# Altium PCB Receiver-board.PcbDoc
Units mm, origin at the board's own origin, x right, y up, seen from the top; angles counter-clockwise.
Board outline 52 x 66.01 mm, 4 copper layers (Top Layer, PWR, GND, Bottom Layer), stack 1.586 mm thick; 124 components, 79 nets, 334 pads, 137 vias.
Unrouted connection lines stored in the file: 85.
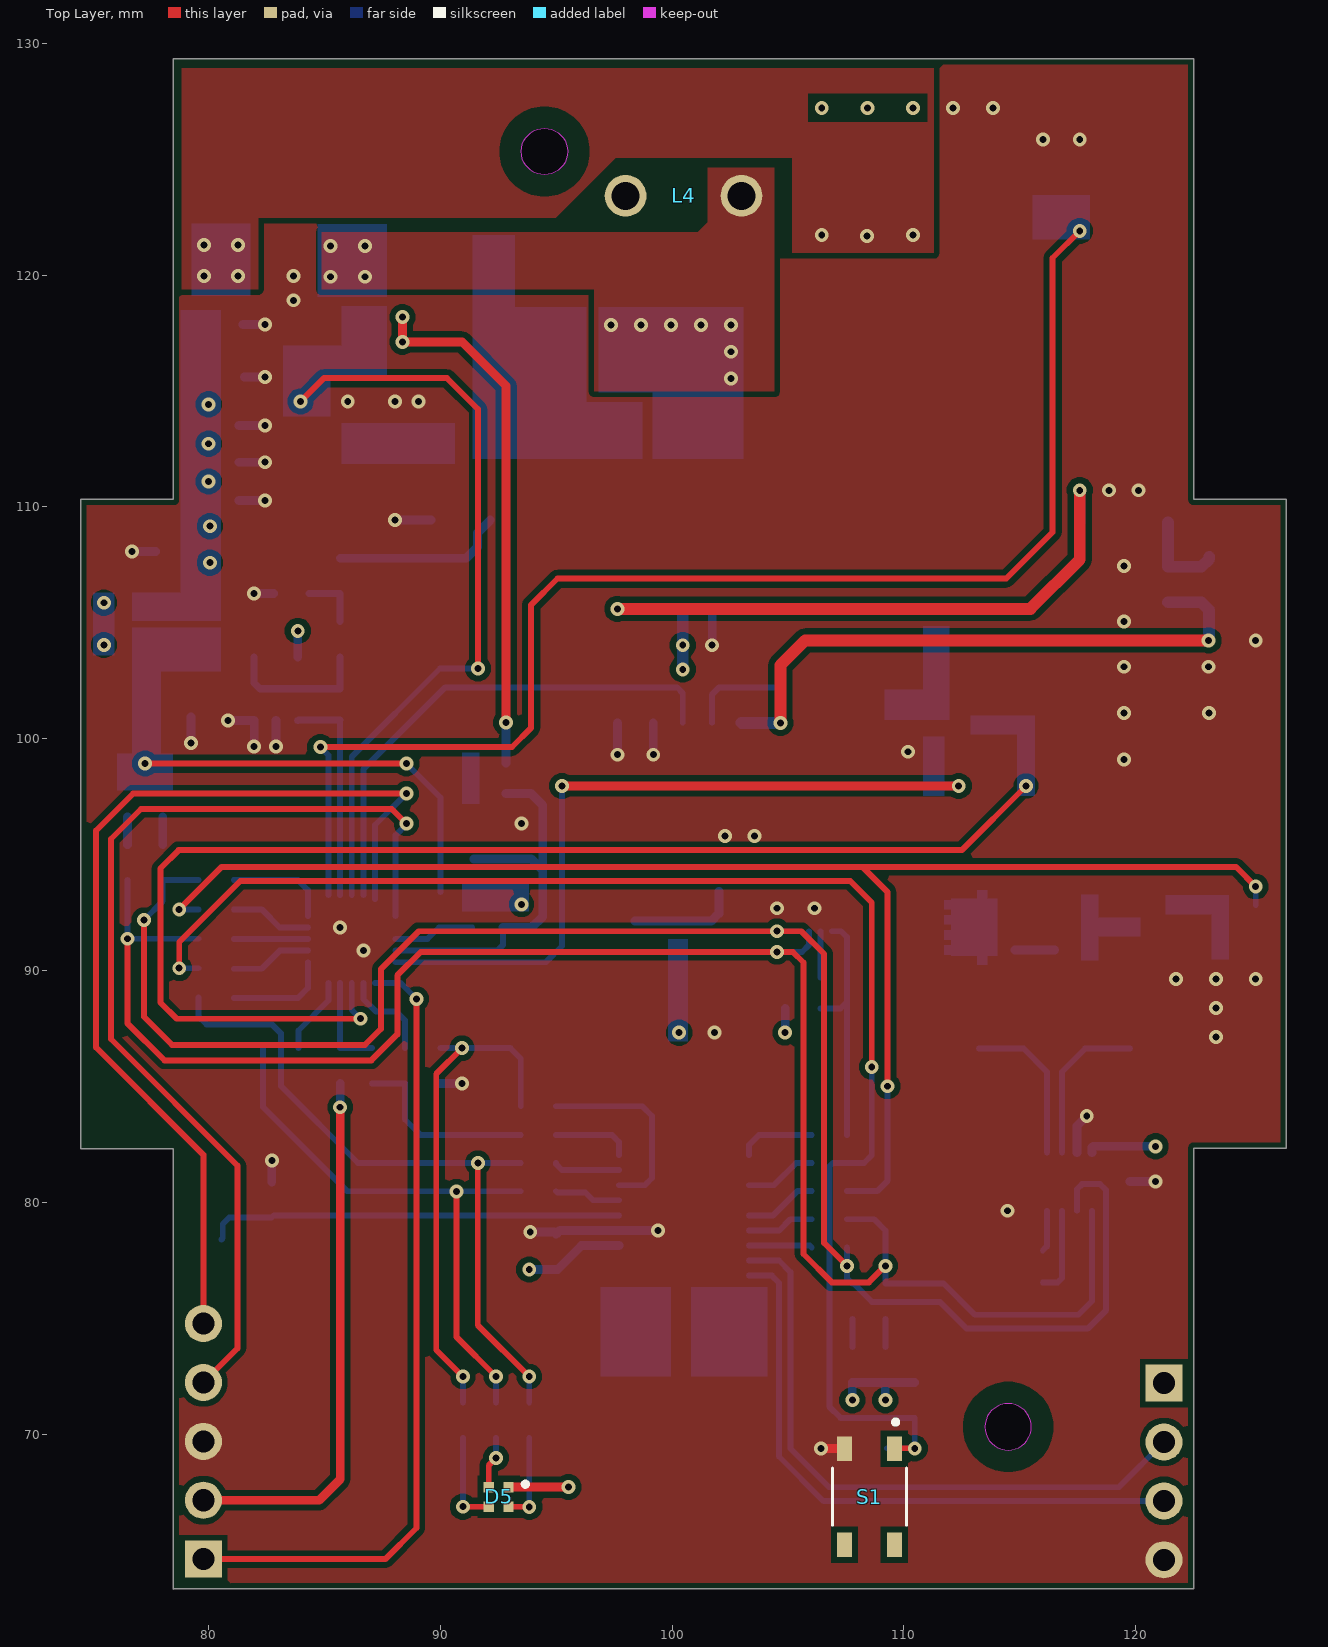
[diagram p0: Top Layer view]
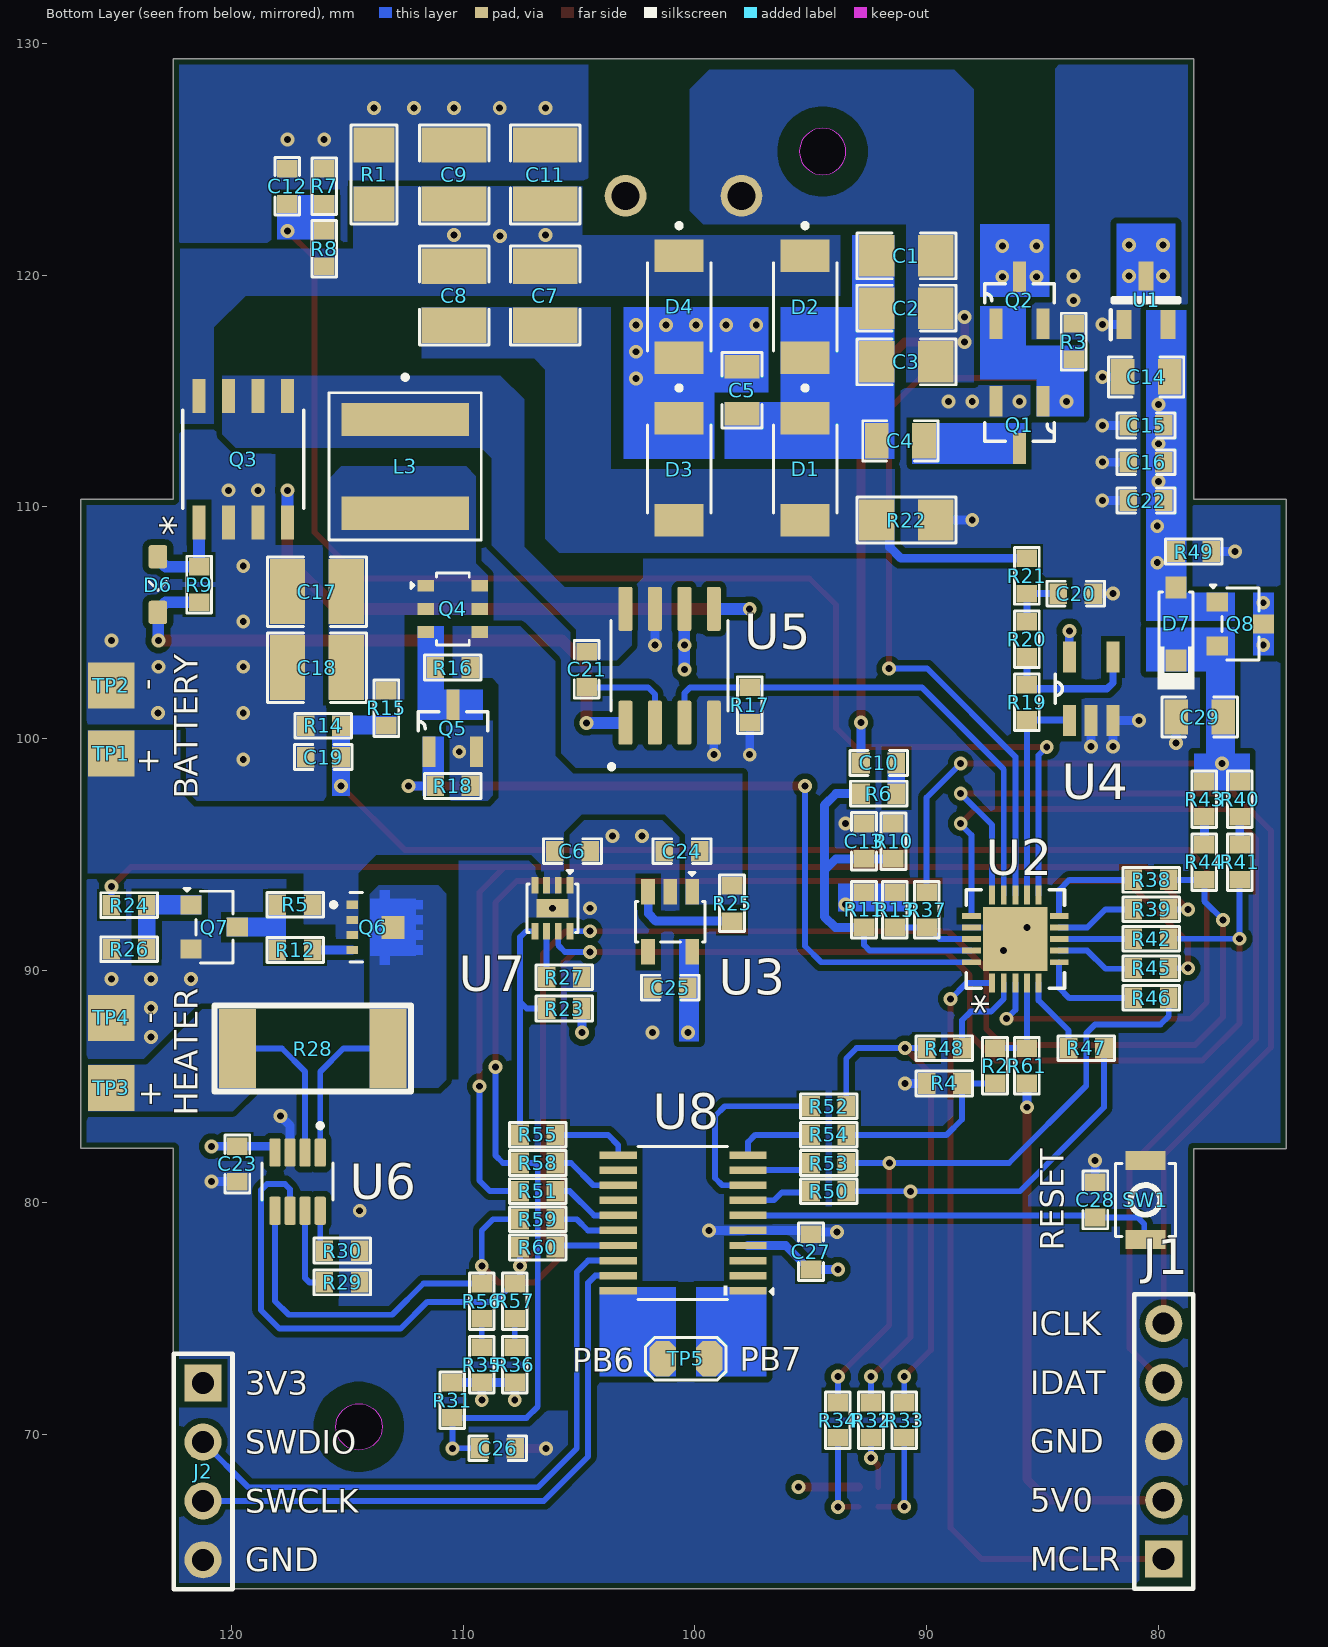
[diagram p1: Bottom Layer view, seen from below]
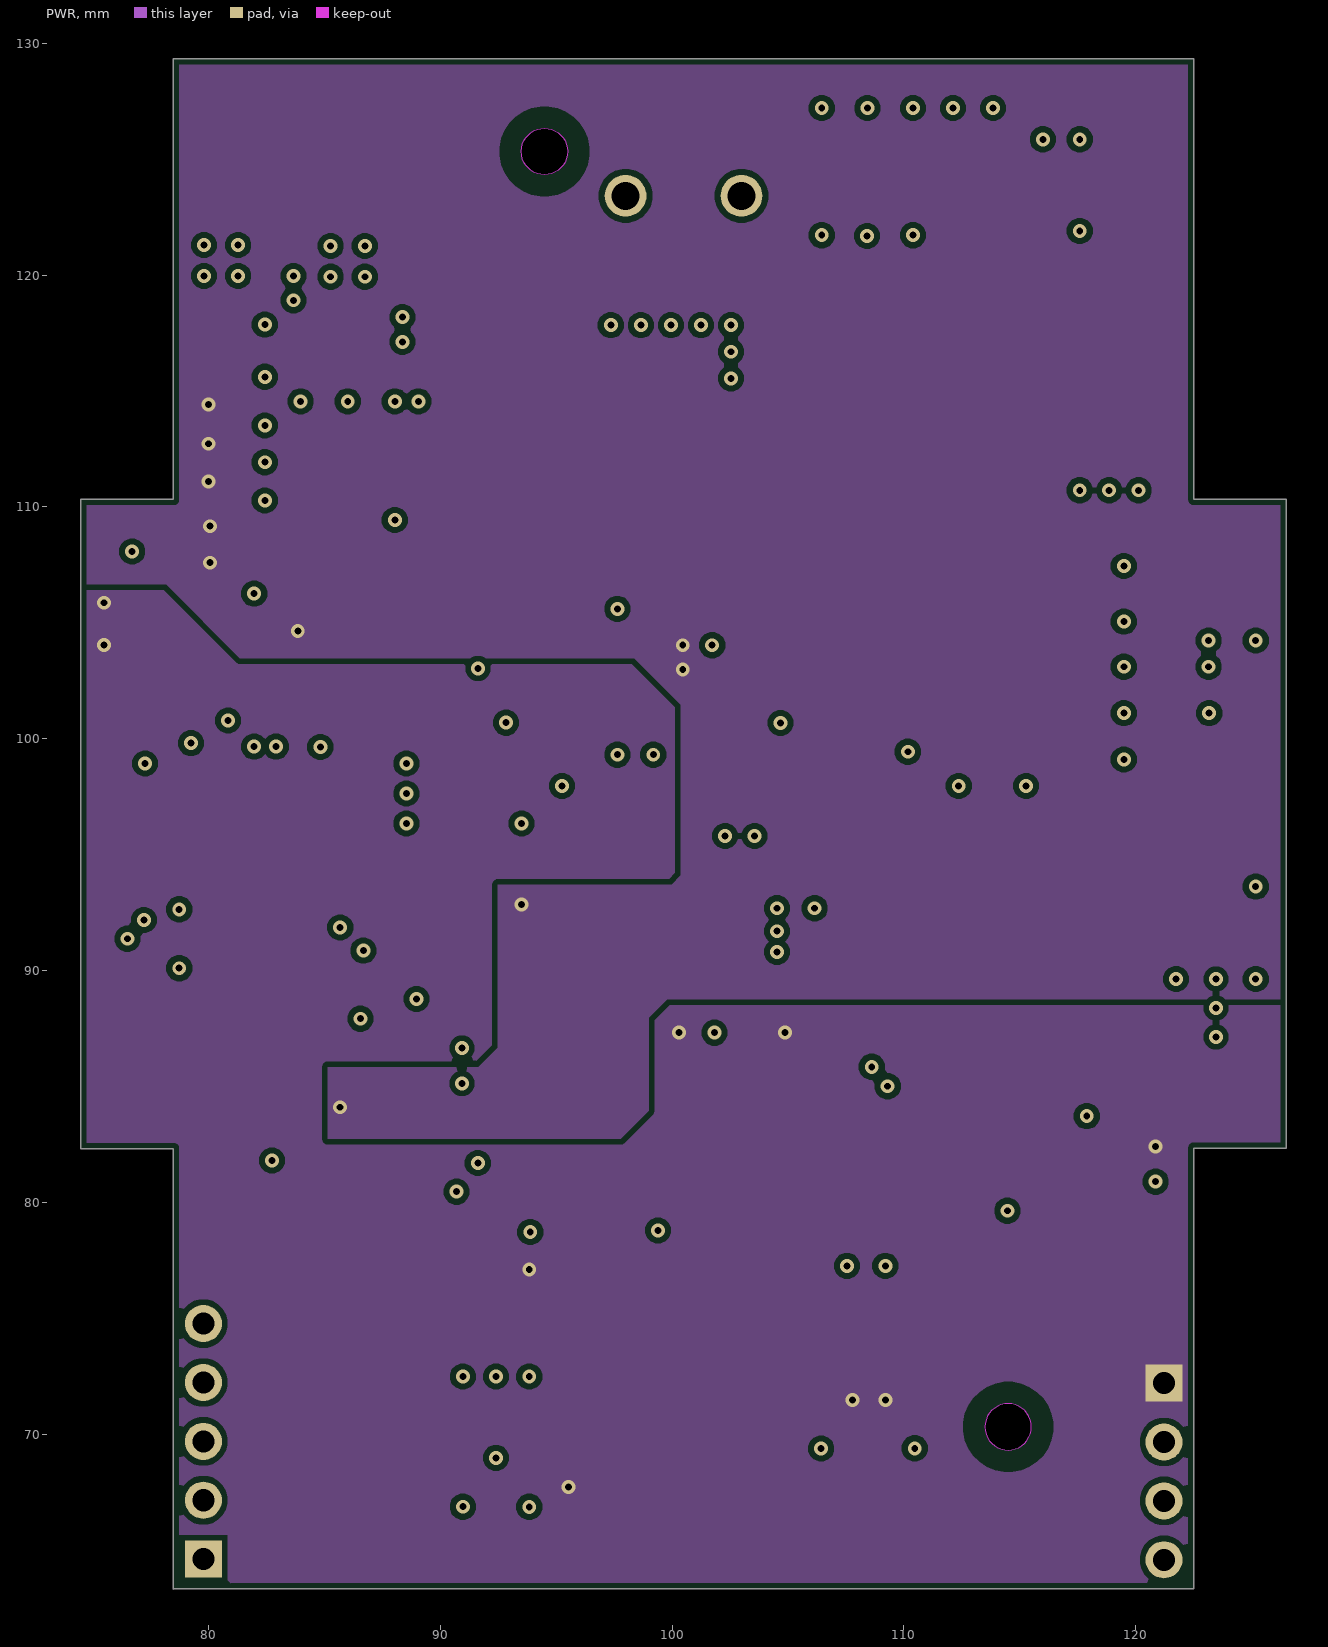
[diagram p2: PWR]
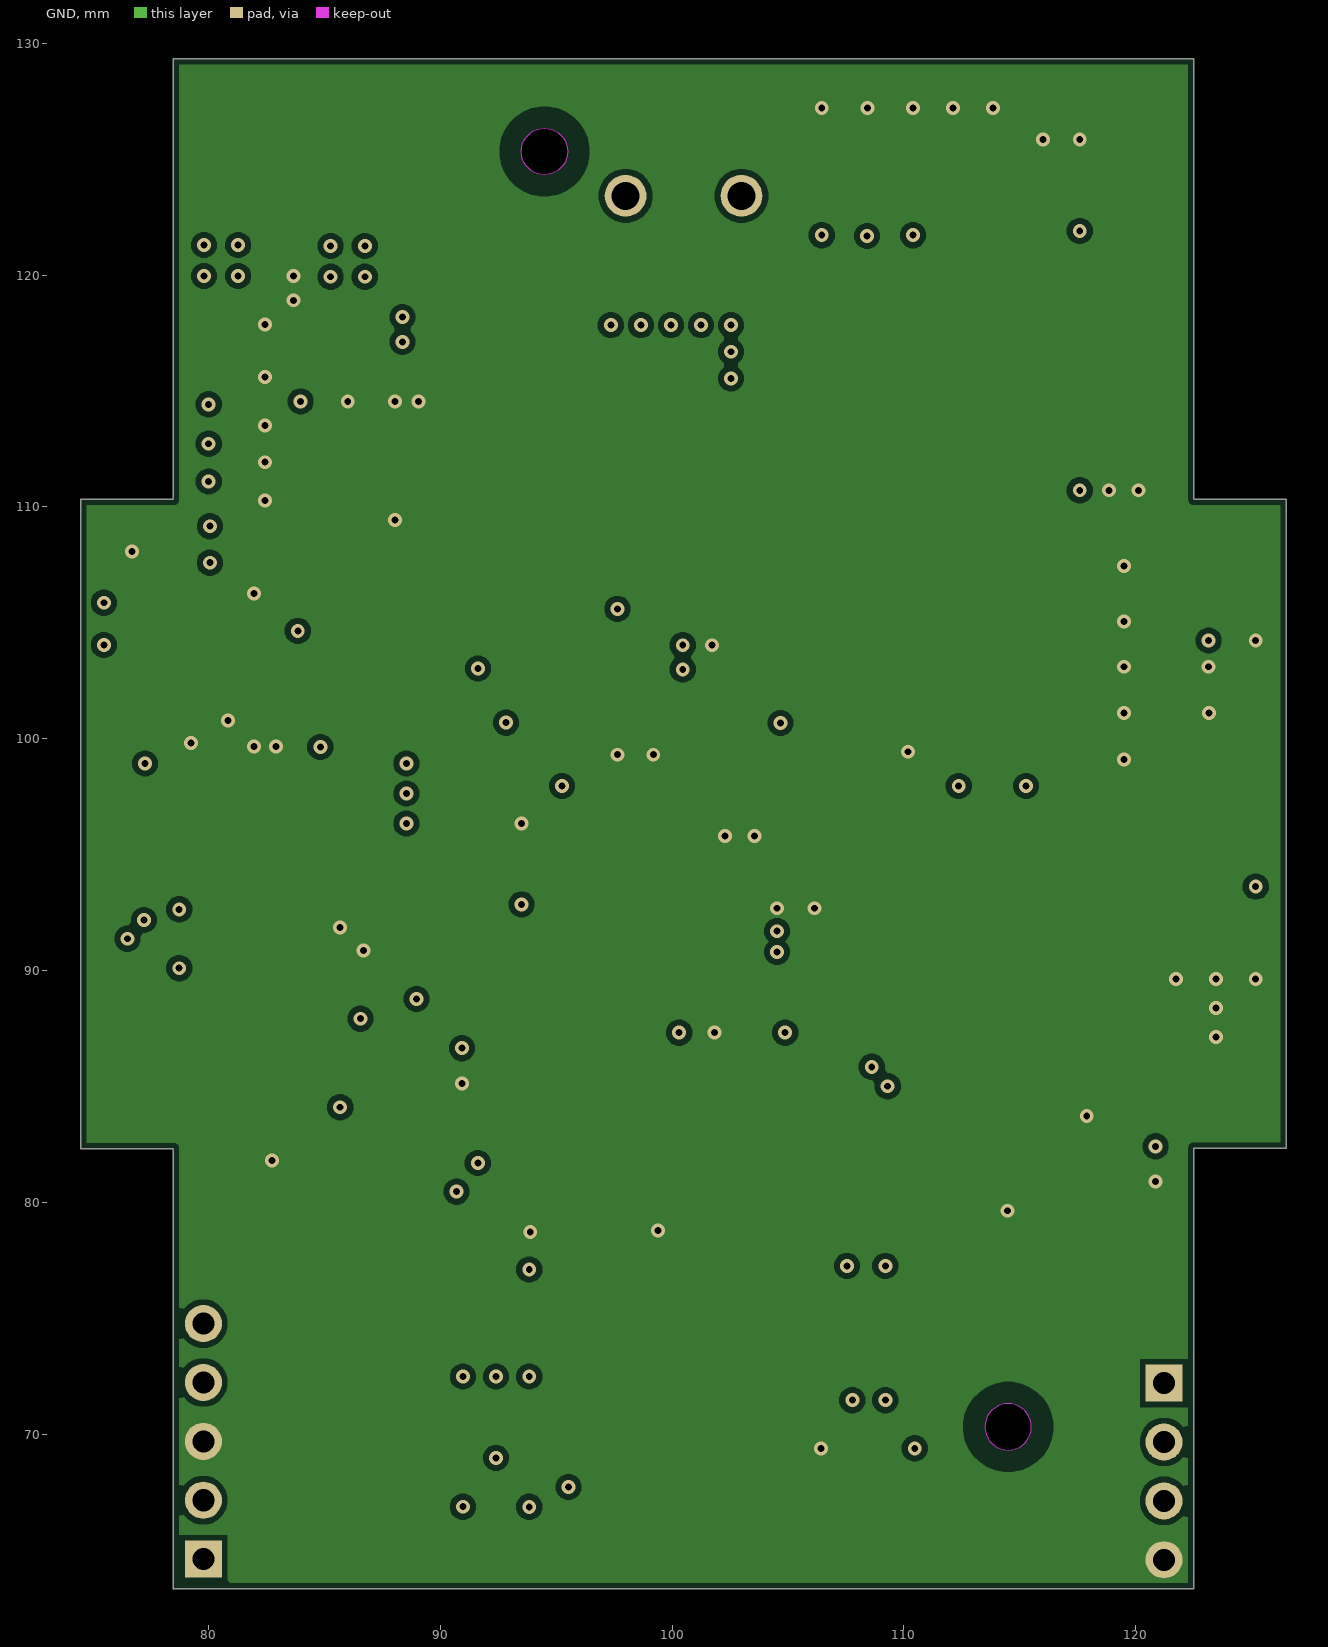
[diagram p3: GND]
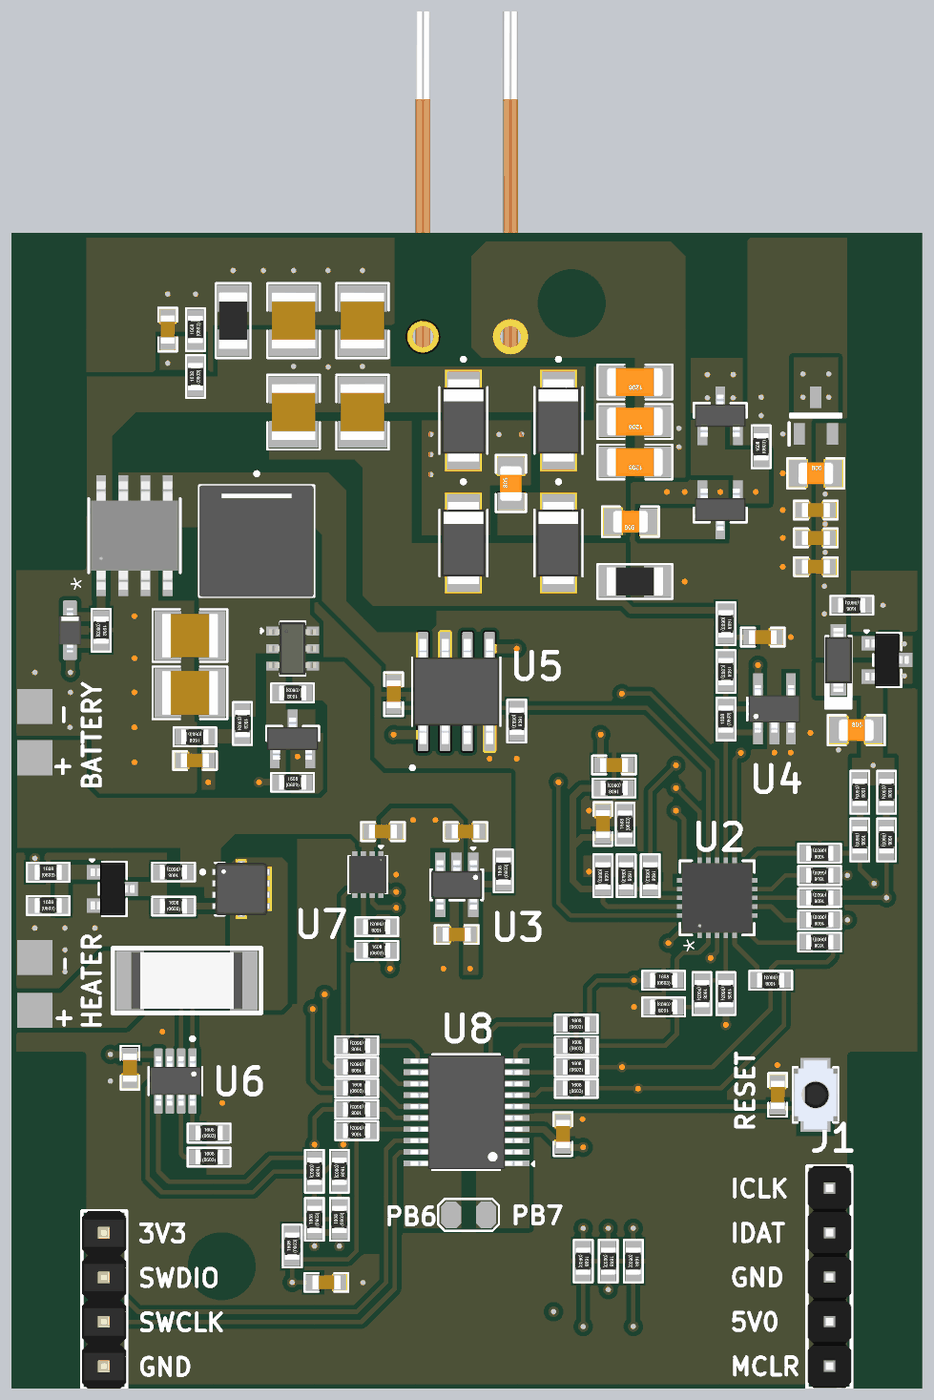
[diagram p4: 3D render of the assembled board from below, using the file's embedded part models]

## Layer stack, top to bottom
Top Solder: solder mask 0.0102, Solder Resist, Dk 3.5
Top Layer: signal copper 0.035
Dielectric 2: prepreg 0.2104, PP-006, Dk 4.4
PWR: signal copper 0.0152
Dielectric 1: dielectric 1.065, FR-4, Dk 4.6
GND: signal copper 0.0152
Dielectric 3: prepreg 0.2104, PP-006, Dk 4.4
Bottom Layer: signal copper 0.035
Bottom Solder: solder mask 0.0102, Solder Resist, Dk 3.5

## Board outline
74.492,82.322 74.492,110.322 78.492,110.322 78.492,129.332 122.492,129.332 122.492,110.332 126.492,110.332 126.492,82.332 122.492,82.332 122.492,63.332 78.492,63.332 78.492,63.322 78.492,82.322
cut-out: 94.492,124.332 cw(c94.492,125.332) 93.492,125.332 cw(c94.492,125.332) 94.492,126.332 cw(c94.492,125.332) 95.492,125.332 cw(c94.492,125.332)
cut-out: 113.492,70.322 ccw(c114.492,70.322) 114.492,69.322 ccw(c114.492,70.322) 115.492,70.322 ccw(c114.492,70.322) 114.492,71.322 ccw(c114.492,70.322)

## Design rules (kind name [scope] priority, off if disabled: settings)
BoardOutlineClearance [All] p1: gap=0 ignorepadtopadclearanceinfootprint=FALSE except(0.254: Poly-OutlineEdge)
Clearance [All] p1: gap=0.254 ignorepadtopadclearanceinfootprint=TRUE except(0.178: Arc-Arc Arc-Track Arc-SMDPad Arc-Via Track-Track Track-SMDPad Track-Via SMDPad-SMDPad SMDPad-Via THPad-Via)
Height [All] p1: minheight=0 maxheight=3 prefheight=1.5
HoleSize [All] p1: absolutevalues=TRUE maxlimit=2 minlimit=0.025 maxpercent=80.000 minpercent=20.000
MinimumSolderMaskSliver [All] p1: minsoldermaskwidth=0
PolygonConnect [All] p1: connectstyle=Direct reliefconductorwidth=0.254 reliefentries=4 polygonreliefangle="90 Angle" airgapwidth=0.254
RoutingVias [All] p1: holewidth=0.3 width=0.6 viastyle="Through Hole" minholewidth=0.3 minwidth=0.6 maxholewidth=0.3 maxwidth=0.6
SilkToSilkClearance [All] p1: silktosilkclearance=0
SilkToSolderMaskClearance [IsPad] p1: minsilkscreentomaskgap=0 clearancetoexposedcopper=TRUE
SolderMaskExpansion Via [IsVia] p1: expansion=0.102 istentingtop=TRUE
SupplyNets "Schematic Supply Nets_5" [InNet('GND')] p1: voltage=0.000
SupplyNets "Schematic Supply Nets_4" [InNet('BAT+')] p2: voltage=0.000
SupplyNets "Schematic Supply Nets_3" [InNet('VREC')] p3: voltage=0.000
SupplyNets "Schematic Supply Nets_2" [InNet('+5V')] p4: voltage=0.000
SupplyNets "Schematic Supply Nets_1" [InNet('V-OR')] p5: voltage=0.000
SupplyNets "Schematic Supply Nets" [InNet('+3V3')] p6: voltage=0.000
UnRoutedNet [All] p1: checkbadconnections=TRUE
Width [All] p1: maxlimit=0.508 minlimit=0.178 preferedwidth=0.254 midlayer1_minwidth=0.178 midlayer2_minwidth=0.178 bottomlayer_minwidth=0.178 minimp=50.000000 maximp=50.000000 favimp=50.000000
24 further rules are at their usual default settings.

## Components (designator, comment, footprint, x,y, rotation, side; value= is the part's Value field where it differs from the comment)
C1 "0.1uF 100V" Cap-1206 90.884,120.834 r0 bottom
C2 "0.1uF 100V" Cap-1206 90.884,118.573 r0 bottom
C3 "DNP" Cap-1206 90.884,116.262 r0 bottom
C4 "0.047uF 50V" Cap-0805 91.138,112.854 r0 bottom
C5 "3300pF 50V" Cap-0805 97.968,115.037 r90 bottom
C6 "1uF" Cap-0603 105.285,95.155 r0 bottom
C7 "10uF 50V" Cap-1210 106.453,119.112 r90 bottom
C8 "10uF 50V" Cap-1210 110.39,119.112 r90 bottom
C9 "10uF 50V" Cap-1210 110.39,124.339 r270 bottom
C10 "68pF 100V" Cap-0603 92.075,98.957 r180 bottom
C11 "10uF 50V" Cap-1210 106.453,124.339 r270 bottom
C12 "1000pF" Cap-0603 117.58,123.831 r270 bottom
C13 "68pF 100V" Cap-0603 92.71,95.583 r270 bottom
C14 "4.7uF" Cap-0805 80.543,115.612 r180 bottom
C15 "0.1uF" Cap-0603 80.543,113.517 r180 bottom
C16 "0.1uF" Cap-0603 80.543,111.929 r180 bottom
C17 "10uF 50V" Cap-1210 116.307,106.35 r180 bottom
C18 "10uF 50V" Cap-1210 116.307,103.073 r180 bottom
C19 "1000pF" Cap-0603 116.027,99.212 r180 bottom
C20 "0.1uF" Cap-0603 83.574,106.261 r0 bottom
C21 "0.33uF 16V" Cap-0603 104.673,102.997 r270 bottom
C22 "0.1uF" Cap-0603 80.543,110.278 r180 bottom
C23 "0.1uF" Cap-0603 119.736,81.661 r90 bottom
C24 "1uF" Cap-0603 100.559,95.155 r0 bottom
C25 "1uF" Cap-0603 101.067,89.268 r0 bottom
C26 "0.1uF" Cap-0603 108.509,69.398 r0 bottom
C27 "0.1uF" Cap-0603 94.996,77.874 r270 bottom
C28 "0.1uF" Cap-0603 82.728,80.112 r270 bottom
C29 "4.7uF" Cap-0805 78.232,100.94 r180 bottom
D1 "PMEG6045ETPX" DIO_PMEG6045ETPX 95.25,111.633 r270 bottom
D2 "PMEG6045ETPX" DIO_PMEG6045ETPX 95.25,118.634 r270 bottom
D3 "PMEG6045ETPX" DIO_PMEG6045ETPX 100.686,111.633 r270 bottom
D4 "PMEG6045ETPX" DIO_PMEG6045ETPX 100.686,118.634 r270 bottom
D5 "LRTBR48G-P9Q7-1+R7S5-26+NP-68-R33-ZB" LRTBR48G-P9Q7-1+R7S5-26+NP-68-R33-ZB 92.517,67.3 r0 top locked
D6 "BAT54JFILM" SOD-323 123.165,106.655 r270 bottom
D7 "MBR120VLSFT3G" SOD-123 79.248,104.953 r270 bottom
J1 "X6511WV-05H-C60D30" HDR1X5_ 79.781,64.618 r90 bottom
J2 "X6511WV-04H-C60D30" HDR1X4_ 121.214,72.208 r270 bottom
L3 "15uH" IND_XAL6060-153MEB 112.497,111.747 r270 bottom
L4 "760308102207" WE-WPCC_RX_760308102207 100.492,123.419 r180 top locked
Q1 "2N7002-7-F" SOT103P240X110-3N 86.008,113.538 r270 bottom
Q2 "2N7002-7-F" SOT103P240X110-3N 86.008,118.913 r90 bottom
Q3 "SI4816BDY-T1-E3" SOIC8_NARROW_VIS 119.482,112.058 r90 bottom
Q4 "SI3433CDV-T1-GE3" 6-TSOP_ 110.445,105.603 r180 bottom
Q5 "2N7002-7-F" SOT103P240X110-3N 110.445,100.457 r90 bottom
Q6 "AON7407" TRANS_AON7407 113.383,91.867 r180 bottom
Q7 "MMBT3904" SOT-23 120.736,91.876 r270 bottom
Q8 "DMG3415U" SOT-23 76.479,104.953 r270 bottom
R1 "330R" Res-1206 113.843,124.339 r270 bottom
R2 "5.1K" Res-0603 87.055,85.895 r90 bottom
R3 "10K" Res-0603 83.668,117.135 r270 bottom
R4 "10K" Res-0603 89.243,85.133 r180 bottom
R5 "1K" Res-0603 117.248,92.842 r180 bottom
R6 "11.3K" Res-0603 92.075,97.636 r180 bottom
R7 "1K" Res-0603 115.991,123.831 r270 bottom
R8 "11K" Res-0603 115.991,121.144 r270 bottom
R9 "10R" Res-0603 121.387,106.655 r90 bottom
R10 "220K" Res-0603 91.44,95.583 r270 bottom
R11 "220K" Res-0603 92.71,92.626 r90 bottom
R12 "10R" Res-0603 117.248,90.892 r0 bottom
R13 "DNP" Res-0603 91.378,92.626 r90 bottom
R14 "10K" Res-0603 116.027,100.559 r180 bottom
R15 "20K" Res-0603 113.309,101.321 r90 bottom
R16 "1K" Res-0603 110.445,103.073 r180 bottom
R17 "10K" Res-0603 97.638,101.456 r90 bottom
R18 "10K" Res-0603 110.445,97.968 r0 bottom
R19 "20K" Res-0603 85.682,101.575 r270 bottom
R20 "510R" Res-0603 85.682,104.292 r90 bottom
R21 "510R" Res-0603 85.682,107.023 r90 bottom
R22 "0.05R" Res-1206 90.884,109.433 r0 bottom
R23 "10K" Res-0603 105.639,88.367 r0 bottom
R24 "1K" Res-0603 124.409,92.826 r0 bottom
R25 "1K" Res-0603 98.4,92.899 r270 bottom
R26 "10K" Res-0603 124.409,90.926 r0 bottom
R27 "10K" Res-0603 105.639,89.713 r180 bottom
R28 "100mR" RES-2512 116.486,86.639 r180 bottom
R29 "10K" Res-0603 115.221,76.556 r0 bottom
R30 "10K" Res-0603 115.221,77.927 r0 bottom
R31 "1K" Res-0603 110.465,71.474 r270 bottom
R32 "68R" Res-0603 92.405,70.612 r90 bottom
R33 "68R" Res-0603 90.973,70.612 r90 bottom
R34 "270R" Res-0603 93.837,70.612 r90 bottom
R35 "4.7K" Res-0603 109.195,72.998 r270 bottom
R36 "4.7K" Res-0603 107.772,72.998 r270 bottom
R37 "0R" Res-0603 90.005,92.626 r90 bottom
R38 "0R" Res-0603 80.328,93.915 r180 bottom
R39 "0R" Res-0603 80.328,92.645 r180 bottom
R40 "4.7K" Res-0603 76.505,97.395 r90 bottom
R41 "0R" Res-0603 76.505,94.677 r90 bottom
R42 "0R" Res-0603 80.328,91.375 r180 bottom
R43 "4.7K" Res-0603 78.029,97.395 r90 bottom
R44 "0R" Res-0603 78.029,94.677 r90 bottom
R45 "0R" Res-0603 80.328,90.105 r180 bottom
R46 "0R" Res-0603 80.328,88.835 r180 bottom
R47 "0R" Res-0603 83.121,86.657 r180 bottom
R48 "0R" Res-0603 89.243,86.657 r0 bottom
R49 "20K" Res-0603 78.486,108.077 r180 bottom
R50 "DNP" Res-0603 94.234,80.485 r0 bottom
R51 "DNP" Res-0603 106.782,80.491 r0 bottom
R52 "DNP" Res-0603 94.234,84.15 r0 bottom
R53 "DNP" Res-0603 94.234,81.7 r0 bottom
R54 "DNP" Res-0603 94.234,82.918 r0 bottom
R55 "DNP" Res-0603 106.782,82.92 r180 bottom
R56 "DNP" Res-0603 109.195,75.742 r90 bottom
R57 "DNP" Res-0603 107.772,75.742 r90 bottom
R58 "DNP" Res-0603 106.782,81.705 r180 bottom
R59 "DNP" Res-0603 106.782,79.277 r180 bottom
R60 "DNP" Res-0603 106.782,78.062 r180 bottom
R61 "0R" Res-0603 85.682,85.895 r90 bottom
S1 "SKRPABE010" SW_SKRPABE010 108.509,67.31 r270 top
SW1 "B3U-1000P" B3U-1000P 80.569,80.112 r90 bottom
TP1 "0.5mm Test Pad" "0.5mm Test Pad" 125.171,99.365 r90 bottom
TP2 "0.5mm Test Pad" "0.5mm Test Pad" 125.171,102.3 r90 bottom
TP3 "0.5mm Test Pad" "0.5mm Test Pad" 125.171,84.939 r90 bottom
TP4 "0.5mm Test Pad" "0.5mm Test Pad" 125.171,87.96 r90 bottom
TP5 "2 Test Pad" "2 Test Pad" 101.389,73.254 r180 bottom
U1 "MCP1799T-5002H_TT" SOT95P237X112-3N 80.543,118.914 r90 bottom
U2 "PIC16F18345-E/GZ" UQFN20_GZ_MCH 86.182,91.364 r90 bottom
U3 "AP2127K-3.3TRG1" SOT-23-5 101.067,92.107 r270 bottom
U4 "MCP6021T-E/OT" SOT95P270X145-5N 82.914,102.159 r90 bottom
U5 "MCP14628-E/SN" SOIC127P600X175-8N 101.092,103.149 r90 bottom
U6 "INA219BIDCNT" SOT65P280X145-8N 117.138,80.899 r270 bottom
U7 "MAX17048G+T10" "8-TDFN-EP (2x2)" 106.147,92.691 r270 bottom
U8 "STM32G030F6P6" TSSOP-20 100.508,79.121 r0 bottom
